# Altium PCB Testopstelling_DA_BOX_STEDIN_V2.PcbDoc (part 1 of 3) (continued)
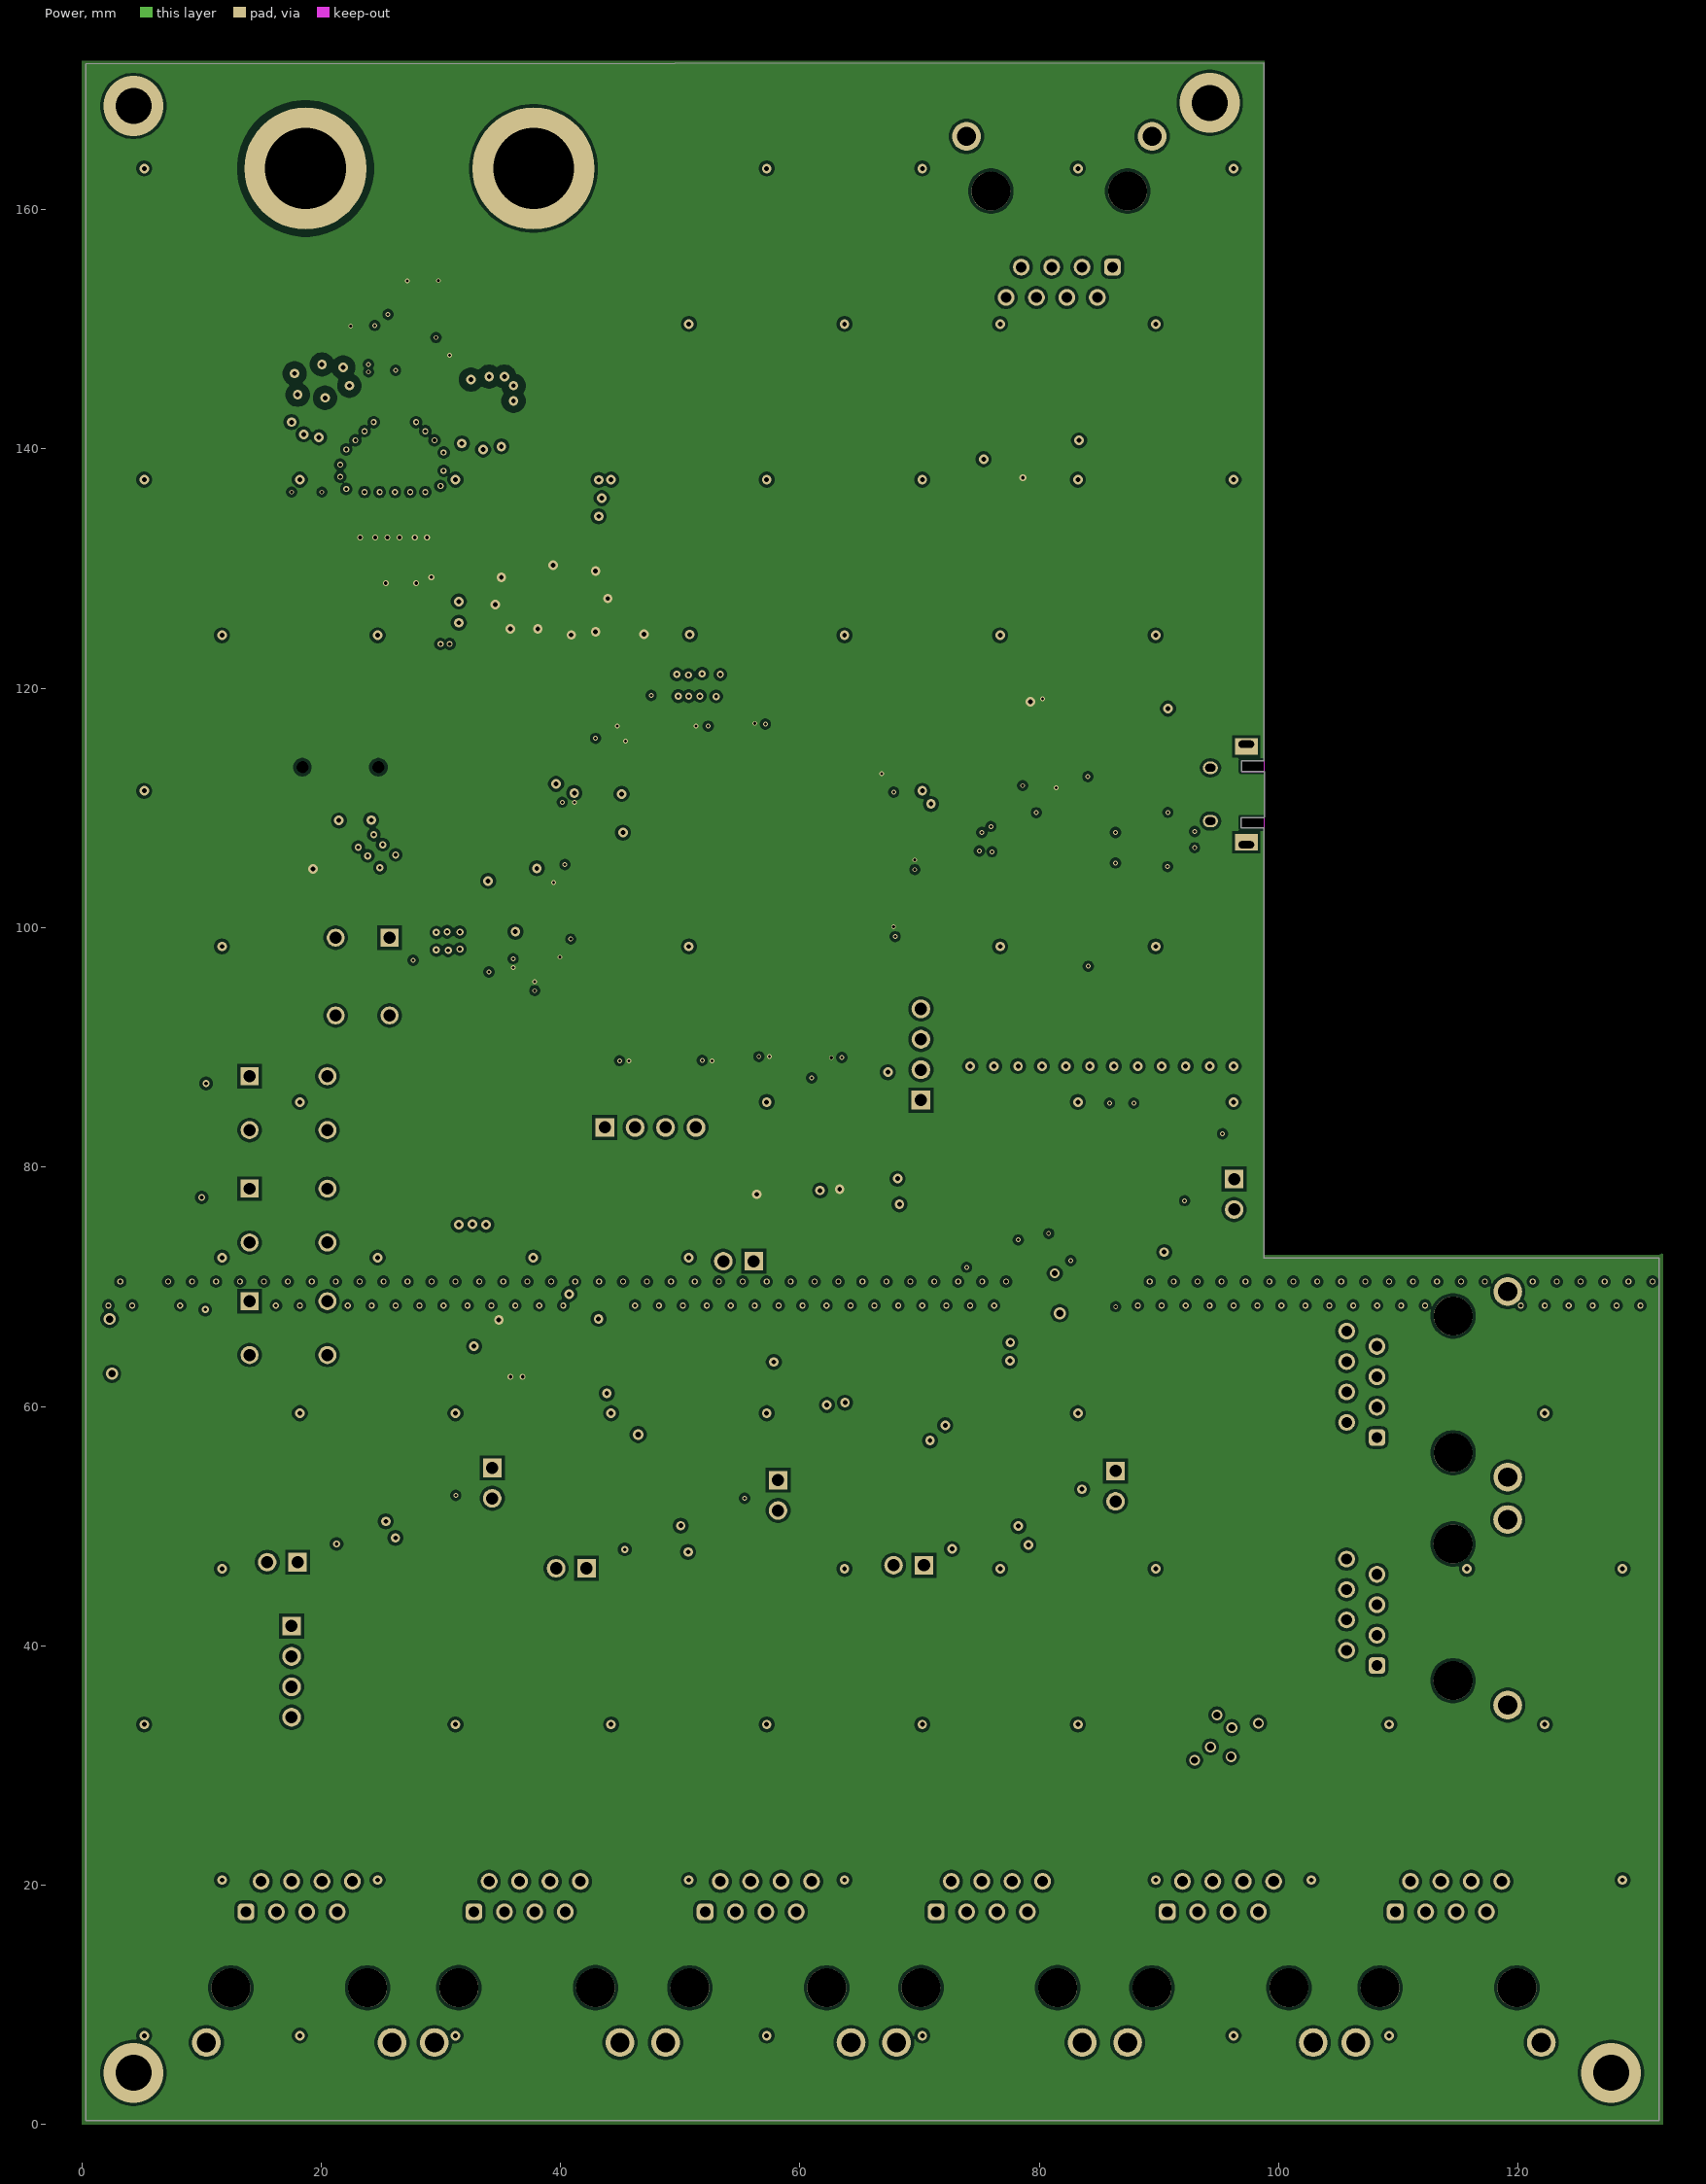
[diagram p3: Power]
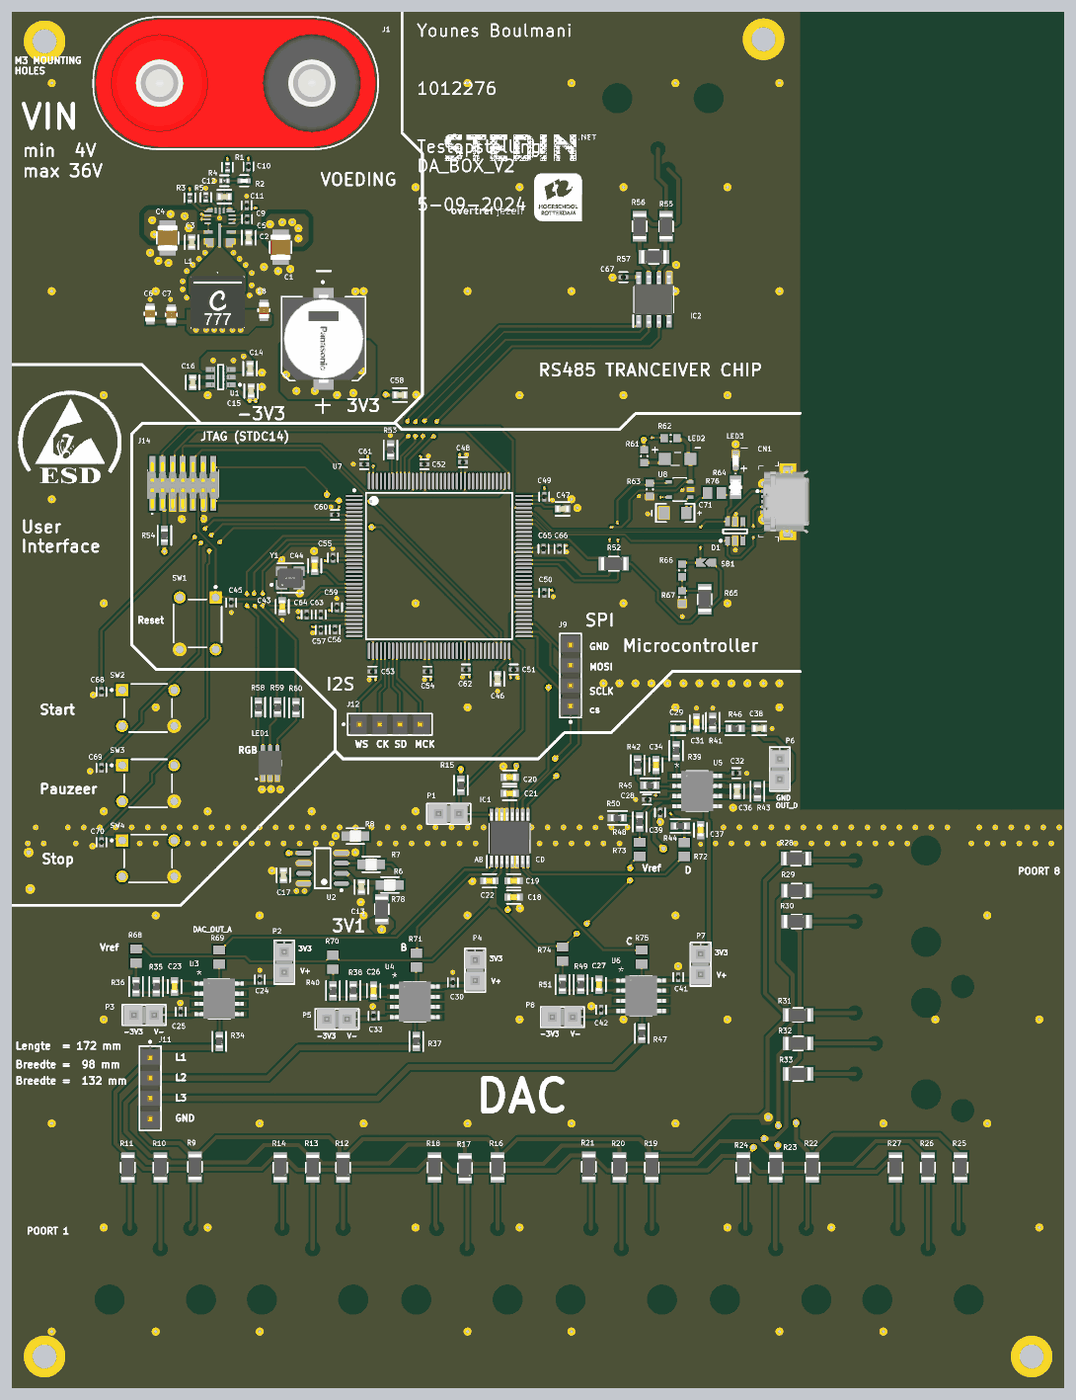
[diagram p6: 3D render of the assembled board from above, using the file's embedded part models]

## Layer stack, top to bottom
Top Solder: solder mask 0.0102, Solder Resist, Dk 3.5
Top Layer: signal copper 0.0356
Dielectric 2: prepreg 0.0711, PP-006, Dk 4.1
GND: signal copper 0.035
Dielectric 1: dielectric 0.32, FR-4, Dk 4.8
Power: signal copper 0.035
Dielectric 3: prepreg 0.0711, PP-006, Dk 4.1
Bottom Layer: signal copper 0.0356
Bottom Solder: solder mask 0.0102, Solder Resist, Dk 3.5

## Board outline
96.85,108.356 96.85,109.195 98.755,109.195 98.781,109.22 98.781,113.055 96.876,113.055 96.876,113.944 98.755,113.944 98.755,172.237 0.33,172.161 0.33,0.356 131.75,0.356 131.75,72.39 98.781,72.39 98.755,72.415 98.755,108.331 96.876,108.331
cut-out: 96.876,113.055 98.781,113.055 98.781,113.919 98.755,113.944 96.876,113.944
cut-out: 96.876,108.331 96.85,108.356 96.85,109.195 98.755,109.195 98.755,108.331

## Design rules (kind name [scope] priority, off if disabled: settings)
Clearance Clearance_0_100 [All] p1: gap=0.1 ignorepadtopadclearanceinfootprint=TRUE
Clearance Clearance_30V_PGND [InNet('PGND') vs InNet('+30V')] p2: gap=0.6 ignorepadtopadclearanceinfootprint=FALSE
Clearance Clearance_30V [InNet('+3V3 (DVVD)') vs InNet('+30V')] p3: gap=0.6 ignorepadtopadclearanceinfootprint=FALSE
Clearance polygon_clearance [All] p4: gap=0.254 ignorepadtopadclearanceinfootprint=FALSE
Clearance Clearance_copper [All] p5: gap=0.1 ignorepadtopadclearanceinfootprint=FALSE except(0.254: Arc-Fill Arc-Poly Arc-Region Track-Fill Track-Poly Track-Region SMDPad-Fill SMDPad-Poly SMDPad-Region THPad-Fill THPad-Poly THPad-Region Via-Fill Via-Poly Via-Region Fill-Fill Fill-Poly Fill-Region Fill-Hole Poly-Poly Poly-Region Poly-Hole Region-Region Region-Hole)
DiffPairsRouting [All] p1: maxlimit=0.127 minlimit=0.127 mostfreqgap=0.127 toplayer_minwidth=0.11 toplayer_maxwidth=0.11 toplayer_prefwidth=0.11 midlayer1_minwidth=0.057 midlayer1_maxwidth=0.057 midlayer1_prefwidth=0.057 midlayer2_minwidth=0.057 midlayer2_maxwidth=0.057 midlayer2_prefwidth=0.057 bottomlayer_minwidth=0.11 bottomlayer_maxwidth=0.11 bottomlayer_prefwidth=0.11 impedanceprofiledriven=TRUE impedanceprofileid={F56C7508-85F3-41FF-861C-7BCB579B2F23} impedanceprofilevalue=90.000000 maxuncoupledlength=12.7
HoleSize [All] p1: absolutevalues=TRUE maxlimit=8 minlimit=0.25 maxpercent=80.000 minpercent=20.000
MinimumSolderMaskSliver [All] p1: minsoldermaskwidth=0.01
PolygonConnect [All] p1: connectstyle=Direct reliefconductorwidth=0.254 reliefentries=4 polygonreliefangle="90 Angle" airgapwidth=0.254
RoutingVias [All] p1: holewidth=0.4 width=0.8 viastyle="Through Hole" minholewidth=0.25 minwidth=0.4 maxholewidth=3 maxwidth=5
SilkToSilkClearance [All] p1: silktosilkclearance=0.1
SilkToSolderMaskClearance [IsPad] p1: minsilkscreentomaskgap=0.01 clearancetoexposedcopper=TRUE
SolderMaskExpansion [All] p1: expansion=0.102 istentingtop=FALSE
Width [All] p1: maxlimit=5 minlimit=0.1 preferedwidth=0.254
25 further rules are at their usual default settings.

## Classes and differential pairs
component class U_Voeding: 1 C1 C2 C3 C4 C5 C6 C7 C8 C9 C10 C11 C12 C13 C14 C15 C16 C17 DNP1 DNP2 J1 L1 R1 R2 R3 R4 R5 R6 R7 R8 R77 R78 U1 U2
component class U_User_interface: C68 C69 C70 LED1 R58 R59 R60 SW2 SW3 SW4
component class U_USB: C71 CN1 D1 LED2 LED3 R61 R62 R63 R64 R65 R66 R67 R76 SB1 U8
component class U_RS485_tranceiver: C67 IC2 J15 R55 R56 R57
component class U_MCU: C43 C44 C45 C46 C47 C48 C49 C50 C51 C52 C53 C54 C55 C56 C57 C58 C59 C60 C61 C62 C63 C64 C65 C66 J12 J14 R52 R53 R54 SW1 U7 Y1
component class U_DAC: C18 C19 C20 C21 C22 IC1 J2 J3 J4 J5 J6 J7 J8 J9 J10 P1 R9 R10 R11 R12 R13 R14 R15 R16 R17 R18 R19 R20 R21 R22 R23 R24 R25 R26 R27 R28 R29 R30 R31 R32 R33
component class U_DAC_filter_stage: C23 C24 C25 C26 C27 C28 C29 C30 C31 C32 C33 C34 C36 C37 C38 C39 C41 C42 J11 P2 P3 P4 P5 P6 P7 P8 R34 R35 R36 R37 R38 R39 R40 R41 R42 R43 R44 R45 R46 R47 R48 R49 R50 R51 R68 R69 R70 R71 R72 R73 R74 R75 U3 U4 U5 U6
differential pair USB: +USB_P -USB_N

## Components (designator, comment, footprint, x,y, rotation, side; value= is the part's Value field where it differs from the comment)
1 "LM61495RPHR" RPH0016A 26.218,145.397 r180 top
C1 "EEHZU1J151V" FP-EEH-G16-V-MFG 39.218,131.496 r270 top
C2 "10uF" FP-GRM32-MFG 33.833,142.926 r270 top
C3 "1 uF" FP-C0603C-CF-MFG 22.708,143.551 r270 top value="1 μF"
C4 "10uF" FP-GRM32-MFG 19.71,144.093 r270 top
C5 "1 uF" FP-C0603C-CF-MFG 29.845,144.129 r270 top value="1 μF"
C6 "22μF" FP-C2012-125-0_2-MFG 17.526,134.62 r90 top
C7 "22μF" FP-C2012-125-0_2-MFG 20.168,134.493 r90 top
C8 "22μF" FP-C2012-125-0_2-MFG 31.75,135.037 r90 top
C9 "100nF" FP-GRM15-MFG 29.642,146.45 r90 top value=0.10μF
C10 "10pF" FP-GRM15-MFG 29.82,153.003 r90 top
C11 "100nF" FP-GRM15-MFG 29.591,148.177 r270 top value=0.10μF
C12 "1 uF" FP-C0603C-CF-MFG 26.809,149.247 r180 top value="1 μF"
C13 "4.7 uF" FP-C0603C-CF-MFG 43.942,62.982 r90 top value="4.7 μF"
C14 "2.2 uF" FP-C0603C-CF-MFG 30.023,127.762 r270 top value="2.2 μF"
C15 "2.2 uF" FP-C0603C-CF-MFG 30.15,124.958 r90 top value="2.2 μF"
C16 "1 uF" FP-C0603C-CF-MFG 22.835,126.051 r270 top value="1 μF"
C17 "4.7 uF" FP-C0603C-CF-MFG 34.188,64.456 r270 top value="4.7 μF"
C18 "10 UF" FP-CC0603-DA-MFG 62.992,61.722 r0 top value="100 nF"
C19 "0.1 uF" FP-CC0603-DA-MFG 62.992,63.754 r0 top value="100 nF"
C20 "10 UF" FP-CC0603-DA-MFG 62.496,76.708 r180 top value="100 nF"
C21 "0.1 uF" FP-CC0603-DA-MFG 62.484,74.676 r180 top value="100 nF"
C22 "150 nF" FP-CC0603-DA-MFG 59.956,63.754 r180 top value="100 nF"
C23 "1nF" FP-CC0603-DA-MFG 20.574,50.546 r90 top value="100 nF"
C24 "100nF" FP-GRM15-MFG 31.242,51.416 r90 top value=0.10μF
C25 "100nF" FP-GRM15-MFG 21.336,47.39 r90 top value=0.10μF
C26 "1nF" FP-CC0603-DA-MFG 45.466,50.026 r90 top value="100 nF"
C27 "1nF" FP-CC0603-DA-MFG 73.66,50.788 r90 top value="100 nF"
C28 "100nF" FP-GRM15-MFG 79.648,73.914 r180 top value=0.10μF
C29 "4.7 uF" FP-C0603C-CF-MFG 83.558,82.804 r180 top value="4.7 μF"
C30 "100nF" FP-GRM15-MFG 55.372,51.054 r90 top value=0.10μF
C31 "2.2 nF" FP-AC0603-MFG 85.844,83.566 r270 top
C32 "100nF" FP-GRM15-MFG 90.824,77.216 r0 top value=0.10μF
C33 "100nF" FP-GRM15-MFG 45.466,46.882 r90 top value=0.10μF
C34 "68 pF" FP-AC0603-MFG 80.772,78.244 r90 top
C36 "15 nF" FP-C0603C-CF-MFG 90.932,74.93 r90 top
C37 "330 pF" FP-AC0603-MFG 86.36,70.104 r270 top
C38 "15 nF" FP-C0603C-CF-MFG 93.718,82.804 r0 top
C39 "100nF" FP-GRM15-MFG 81.28,72.282 r270 top value=0.10μF
C41 "100nF" FP-GRM15-MFG 83.566,51.708 r90 top value=0.10μF
C42 "100nF" FP-GRM15-MFG 73.914,47.644 r90 top value=0.10μF
C43 "15 pF" FP-AC0603-MFG 34.036,98.044 r270 top value="30 pF"
C44 "15 pF" FP-AC0603-MFG 38.1,103.112 r90 top value="30 pF"
C45 "100nF" FP-GRM15-MFG 27.661,98.527 r270 top value=0.10μF
C46 "2.2 uF" FP-C0603C-CF-MFG 60.96,88.992 r270 top value="2.2 μF"
C47 "2.2 uF" FP-C0603C-CF-MFG 69.088,110.236 r0 top value="2.2 μF"
C48 "100nF" FP-GRM15-MFG 56.642,116.078 r0 top value=0.10μF
C49 "100nF" FP-GRM15-MFG 66.802,111.76 r270 top value=0.10μF
C50 "100nF" FP-GRM15-MFG 66.802,99.714 r270 top value=0.10μF
C51 "100nF" FP-GRM15-MFG 62.992,90.17 r0 top value=0.10μF
C52 "100nF" FP-GRM15-MFG 51.816,115.824 r0 top value=0.10μF
C53 "100nF" FP-GRM15-MFG 45.32,89.916 r180 top value=0.10μF
C54 "100nF" FP-GRM15-MFG 52.216,89.916 r180 top value=0.10μF
C55 "100nF" FP-GRM15-MFG 40.386,104.14 r90 top value=0.10μF
C56 "100nF" FP-GRM15-MFG 40.64,95.142 r270 top value=0.10μF
C57 "1uF" FP-GRM15-MFG 38.862,95.104 r270 top value=1μF
C58 "4.7 uF" FP-C0603C-CF-MFG 48.768,124.46 r0 top value="4.7 μF"
C59 "100nF" FP-GRM15-MFG 40.894,97.936 r90 top value=0.10μF
C60 "100nF" FP-GRM15-MFG 40.64,109.474 r180 top value=0.10μF
C61 "100nF" FP-GRM15-MFG 44.304,115.824 r180 top value=0.10μF
C62 "100nF" FP-GRM15-MFG 57.004,90.17 r180 top value=0.10μF
C63 "10nF" FP-GRM15-MFG 38.862,97.028 r90 top
C64 "1uF" FP-GRM15-MFG 37.084,97.028 r90 top value=1μF
C65 "100nF" FP-GRM15-MFG 66.71,105.228 r270 top value=0.10μF
C66 "1uF" FP-GRM15-MFG 68.71,105.228 r270 top value=1μF
C67 "100nF" FP-GRM15-MFG 76.708,139.192 r180 top value=0.10μF
C68 "100nF" FP-GRM15-MFG 11.43,87.376 r270 top value=0.10μF
C69 "100nF" FP-GRM15-MFG 11.43,77.87 r270 top value=0.10μF
C70 "100nF" FP-GRM15-MFG 11.43,68.58 r270 top value=0.10μF
C71 "4.7uF" TAN-A 83.185,109.728 r0 top value=47uF
CN1 "475900001" MOLEX_47590001 94.607,111.134 r90 top
D1 "ESDA6V1BC6" 3 90.678,107.442 r90 top
DNP1 "DNP_0603" DNP_0603_footprint 4.813,67.31 r0 bottom
DNP2 "DNP_0603" DNP_0603_footprint 4.826,62.738 r0 bottom
IC1 "DAC8564IAPW" SOP65P640X120-16N 62.484,69.088 r90 top
IC2 "MAX22506EASA+" SOIC127P600X175-8N 80.518,136.398 r90 top
J1 "2269-2" FP-2269-2-MFG 28.218,163.434 r0 top
J2 "61500814221" 61500814221 1288.164,1281.228 r0 top
J3 "61500814221" 61500814221 1307.211,1281.23 r0 top
J4 "61500814221" 61500814221 1326.518,1281.228 r0 top
J5 "61500814221" 61500814221 1345.819,1281.23 r0 top
J6 "61500814221" 61500814221 1365.126,1281.228 r0 top
J7 "61500814221" 61500814221 1384.176,1281.228 r0 top
J8 "61500814221" 61500814221 -1155.244,1331.846 r90 top
J9 "TSW-104-22-G-S" FP-TSW-104-22-G-S-MFG 70.104,89.408 r90 top
J10 "61500814221" 61500814221 -1155.246,1312.799 r90 top
J11 "TSW-104-22-G-S" FP-TSW-104-22-G-S-MFG 17.526,37.846 r270 top
J12 "TSW-104-22-G-S" FP-TSW-104-22-G-S-MFG 47.498,83.312 r0 top
J14 "FTSH-107-01-L-DV-K-A" FTSH-107-XX-YYY-DV-K-A 21.604,113.408 r0 top
J15 "61500814221" 61500814221 -1188.339,-1108.256 r180 top
L1 "XAL6060-822MEC" XAL6060822MEC 25.959,136.03 r270 top
LED1 "ASMT-YTD7-0AA02" ASMTYTD70AA02 32.512,78.486 r0 top
LED2 "SML-LX1206SRC-TR" SMLLX1206SRCTR 83.49,116.468 r0 top
LED3 "150060VS75003" 150060VS75003 90.744,116.316 r90 top
P1 "TSW-102-26-T-S" SMTC-TSW-102-26-XX-S 56.134,72.136 r180 top
P2 "TSW-102-26-T-S" SMTC-TSW-102-26-XX-S 34.29,54.864 r270 top
P3 "TSW-102-26-T-S" SMTC-TSW-102-26-XX-S 18.034,46.99 r180 top
P4 "TSW-102-26-T-S" SMTC-TSW-102-26-XX-S 58.166,53.848 r270 top
P5 "TSW-102-26-T-S" SMTC-TSW-102-26-XX-S 42.164,46.482 r180 top
P6 "TSW-102-26-T-S" SMTC-TSW-102-26-XX-S 96.266,78.994 r270 top
P7 "TSW-102-26-T-S" SMTC-TSW-102-26-XX-S 86.36,54.61 r270 top
P8 "TSW-102-26-T-S" SMTC-TSW-102-26-XX-S 70.358,46.736 r180 top
R1 "100k" FP-CRCW0402-C-e3-MFG 27.178,152.933 r90 top
R2 "4.99k" FP-CRCW0402-e3-MFG 29.278,151.232 r180 top
R3 "100k" FP-CRCW0402-C-e3-MFG 22.479,149.123 r270 top
R4 "43k" FP-CRCW0402-C-e3-MFG 26.804,151.232 r0 top
R5 "82k" FP-CRCW0402-C-e3-MFG 24.486,149.181 r270 top
R6 "270k" FP-ERJ6EN-MFG 47.498,63.246 r180 top
R7 "20k" FP-ERJ6EN-MFG 45.161,65.811 r0 top
R8 "20k" FP-ERJ6EN-MFG 43.18,69.342 r0 top
R9 "0" FP-CRCW1206-MFG 23.114,28.014 r270 top
R10 "0" FP-CRCW1206-MFG 18.796,27.94 r270 top
R11 "0" FP-CRCW1206-MFG 14.732,27.94 r270 top
R12 "0" FP-CRCW1206-MFG 41.656,27.94 r270 top
R13 "0" FP-CRCW1206-MFG 37.846,27.94 r270 top
R14 "0" FP-CRCW1206-MFG 33.782,27.94 r270 top
R15 "10k" FP-RC1608-IPC_B 56.388,75.692 r90 top
R16 "0" FP-CRCW1206-MFG 60.96,27.94 r270 top
R17 "0" FP-CRCW1206-MFG 56.896,27.866 r270 top
R18 "0" FP-CRCW1206-MFG 53.086,27.94 r270 top
R19 "0" FP-CRCW1206-MFG 80.264,27.94 r270 top
R20 "0" FP-CRCW1206-MFG 76.2,27.94 r270 top
R21 "0" FP-CRCW1206-MFG 72.39,28.014 r270 top
R22 "0" FP-CRCW1206-MFG 100.33,27.94 r270 top
R23 "0" FP-CRCW1206-MFG 95.758,27.94 r270 top
R24 "0" FP-CRCW1206-MFG 91.694,27.94 r270 top
R25 "0" FP-CRCW1206-MFG 118.872,27.94 r270 top
R26 "0" FP-CRCW1206-MFG 114.808,27.94 r270 top
R27 "0" FP-CRCW1206-MFG 110.744,27.94 r270 top
R28 "0" FP-CRCW1206-MFG 98.298,66.548 r0 top
R29 "0" FP-CRCW1206-MFG 98.372,62.514 r0 top
R30 "0" FP-CRCW1206-MFG 98.372,58.674 r0 top
R31 "0" FP-CRCW1206-MFG 98.552,46.99 r0 top
R32 "0" FP-CRCW1206-MFG 98.552,43.434 r0 top
R33 "0" FP-CRCW1206-MFG 98.552,39.624 r0 top
R34 "100" FP-RC1608-IPC_B 26.162,43.688 r270 top
R35 "10k" FP-RC1608-IPC_B 18.288,50.535 r90 top
R36 "10k" FP-RC1608-IPC_B 15.748,50.546 r90 top
R37 "100" FP-RC1608-IPC_B 50.8,43.688 r270 top
R38 "10k" FP-RC1608-IPC_B 42.926,50.038 r90 top
R39 "620" FP-RC1608-IPC_B 83.304,80.021 r90 top
R40 "10k" FP-RC1608-IPC_B 40.386,50.027 r90 top
R41 "51k" FP-RC1608-IPC_B 87.876,83.566 r270 top
R42 "11k" FP-RC1608-IPC_B 78.486,78.232 r90 top
R43 "10k" FP-RC1608-IPC_B 93.472,74.93 r90 top
R44 "11k" FP-RC1608-IPC_B 83.82,70.612 r180 top
R45 "3k" FP-RC1608-IPC_B 80.021,75.692 r0 top
R46 "10k" FP-RC1608-IPC_B 90.67,82.804 r0 top
R47 "100" FP-RC1608-IPC_B 78.994,44.704 r270 top
R48 "11k" FP-RC1608-IPC_B 78.74,71.12 r90 top
R49 "10k" FP-RC1608-IPC_B 71.374,50.8 r90 top
R50 "11k" FP-RC1608-IPC_B 75.957,71.628 r0 top
R51 "10k" FP-RC1608-IPC_B 69.088,50.8 r90 top
R52 "0" FP-CRCW1206-MFG 75.512,103.378 r0 top
R53 "10k" FP-RC1608-IPC_B 47.578,117.596 r270 top
R54 "22" FP-RC1608-IPC_B 19.304,106.923 r270 top
R55 "0" FP-CRCW1206-MFG 82.042,145.542 r90 top
R56 "0" FP-CRCW1206-MFG 78.74,145.542 r90 top
R57 "120" FP-CRCW1206-MFG 80.518,141.732 r180 top
R58 "39" FP-RC1608-IPC_B 31.039,85.446 r90 top
R59 "39" FP-RC1608-IPC_B 33.452,85.435 r90 top
R60 "82" FP-RC1608-IPC_B 35.763,85.369 r90 top
R61 "620" 0603R 79.314,116.824 r90 top value=1K
R62 "47K" 0603R 82.616,119.072 r0 top value=1K
R63 "10K" 0603R 80.01,112.658 r90 top value=1K
R64 "220" FP-CRCW0805-e3-MFG 90.744,112.935 r270 top
R65 "0" FP-CRCW1206-MFG 86.868,98.942 r270 top
R66 "4.7K" 0603R 84.074,102.536 r270 top value=1K
R67 "10K" 0603R 84.074,99.196 r270 top value=1K
R68 "0" RESC2013X70X40NL20T20 15.748,54.356 r270 top
R69 "0" RESC2013X70X40NL20T20 26.162,54.243 r270 top
R70 "0" RESC2013X70X40NL20T20 40.386,53.594 r270 top
R71 "0" RESC2013X70X40NL20T20 50.8,53.848 r270 top
R72 "0" RESC2013X70X40NL20T20 84.328,67.677 r90 top
R73 "0" RESC2013X70X40NL20T20 78.74,67.705 r90 top
R74 "0" RESC2013X70X40NL20T20 69.088,54.61 r270 top
R75 "0" RESC2013X70X40NL20T20 78.994,54.243 r270 top
R76 "0" RESC2013X70X40NL20T20 88.091,112.214 r0 top
R77 "0" RESC1608X55X25ML10T15 5.588,65.012 r270 bottom
R78 "0" FP-CRCW1206-MFG 46.482,60.198 r90 top
SB1 "Open" SB_0603 87.027,103.514 r0 top
SW1 "B3F-1000" OMRON-B3F-1000-4_V 23.462,95.918 r270 top
SW2 "B3F-1000" OMRON-B3F-1000-4_V 17.272,85.344 r0 top
SW3 "B3F-1000" OMRON-B3F-1000-4_V 17.272,75.946 r0 top
SW4 "B3F-1000" OMRON-B3F-1000-4_V 17.272,66.548 r0 top
U1 "LM2776DBVR" FP-DBV0006A-MFG 26.34,126.695 r180 top
U2 "LT3021ES8#PBF" LT-S8-8_L 39.091,65.329 r180 top
U3 "OPA1652AID" D8 26.162,49.022 r0 top
U4 "OPA1652AID" D8 50.622,48.641 r0 top
U5 "OPA1652AID" D8 85.937,74.978 r0 top
U6 "OPA1652AID" D8 78.918,49.403 r0 top
U7 "STM32F446ZET7" STM-LQFP144_M 53.645,103.099 r0 top
U8 "STMPS2151STR" SOT-23-5L 83.74,112.658 r180 top
Y1 "ABM8G-12.000MHZ-18-D2Y-T" FP-ABM8G-MFG 35.052,101.6 r0 top
